# Altium PCB V2.PcbDoc
Units mil, origin at the board's own origin, x right, y up, seen from the top; angles counter-clockwise.
Board outline 4145.32 x 2865.32 mil, 2 copper layers (Top Layer, Bottom Layer); 20 components, 16 nets, 102 pads, 24 vias.
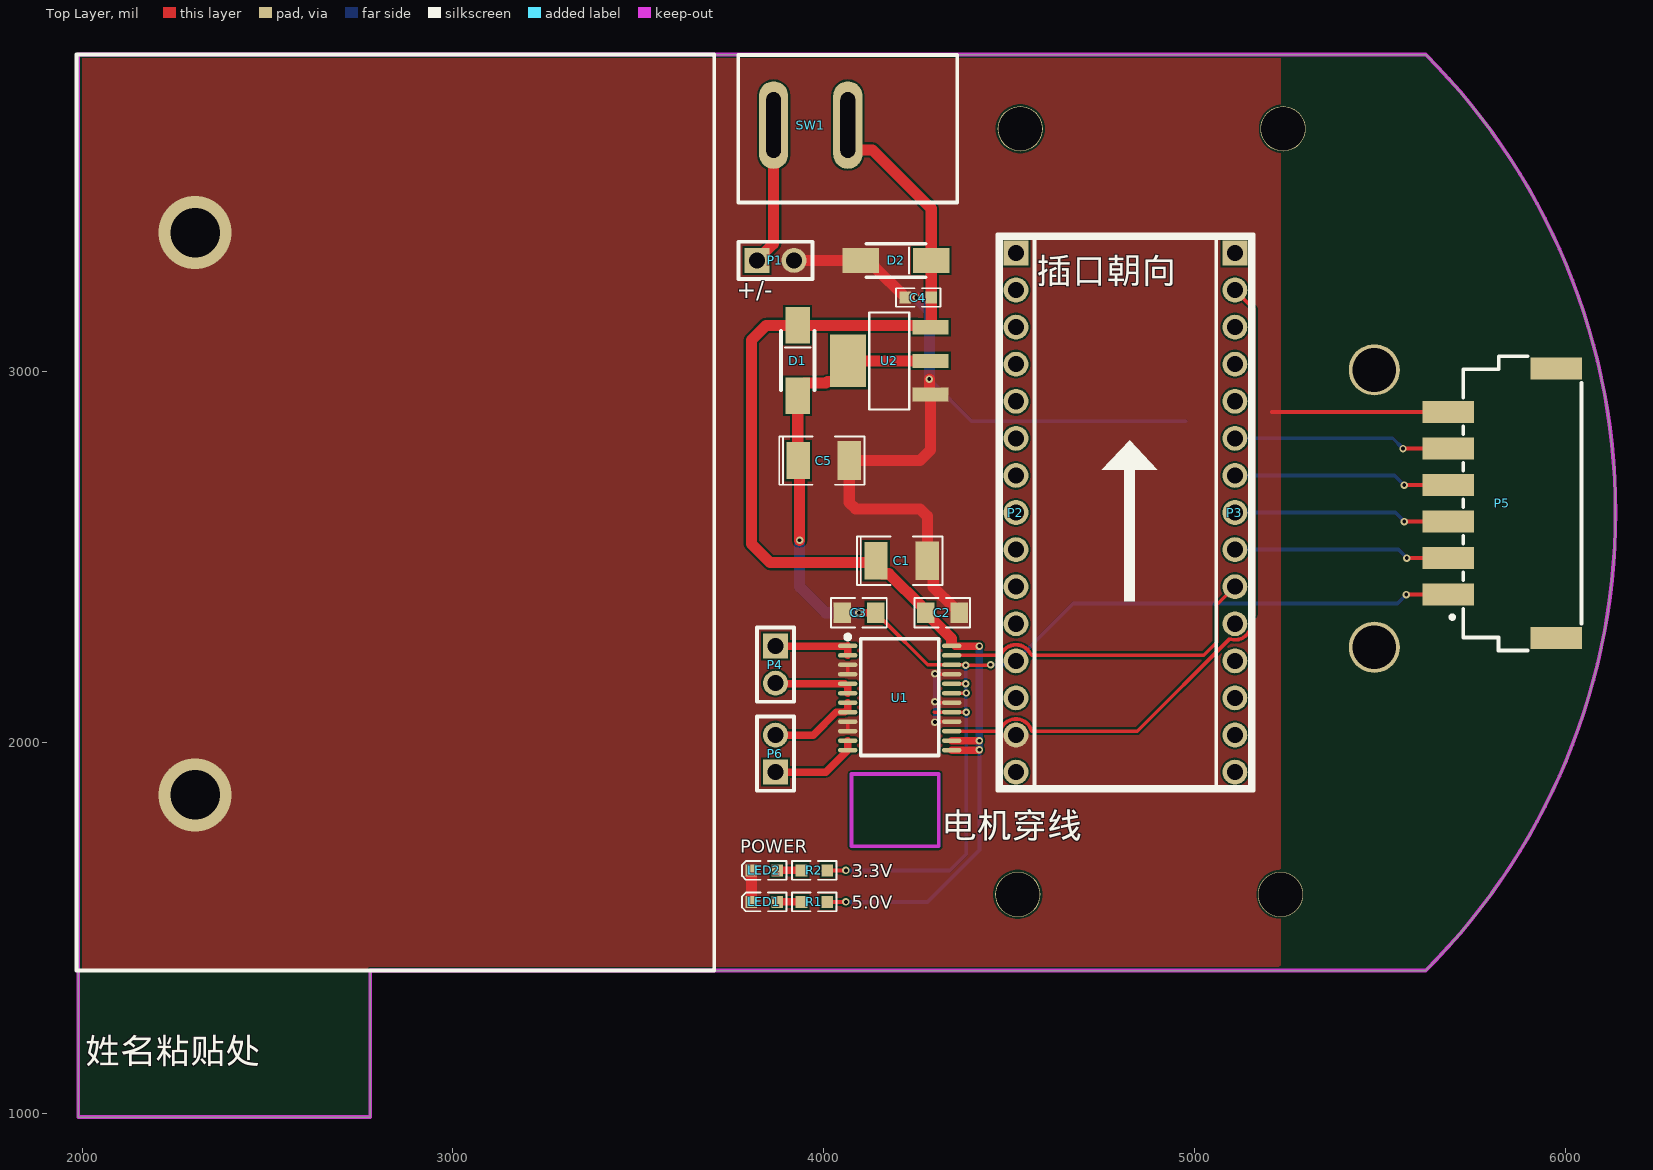
[diagram p0: Top Layer view]
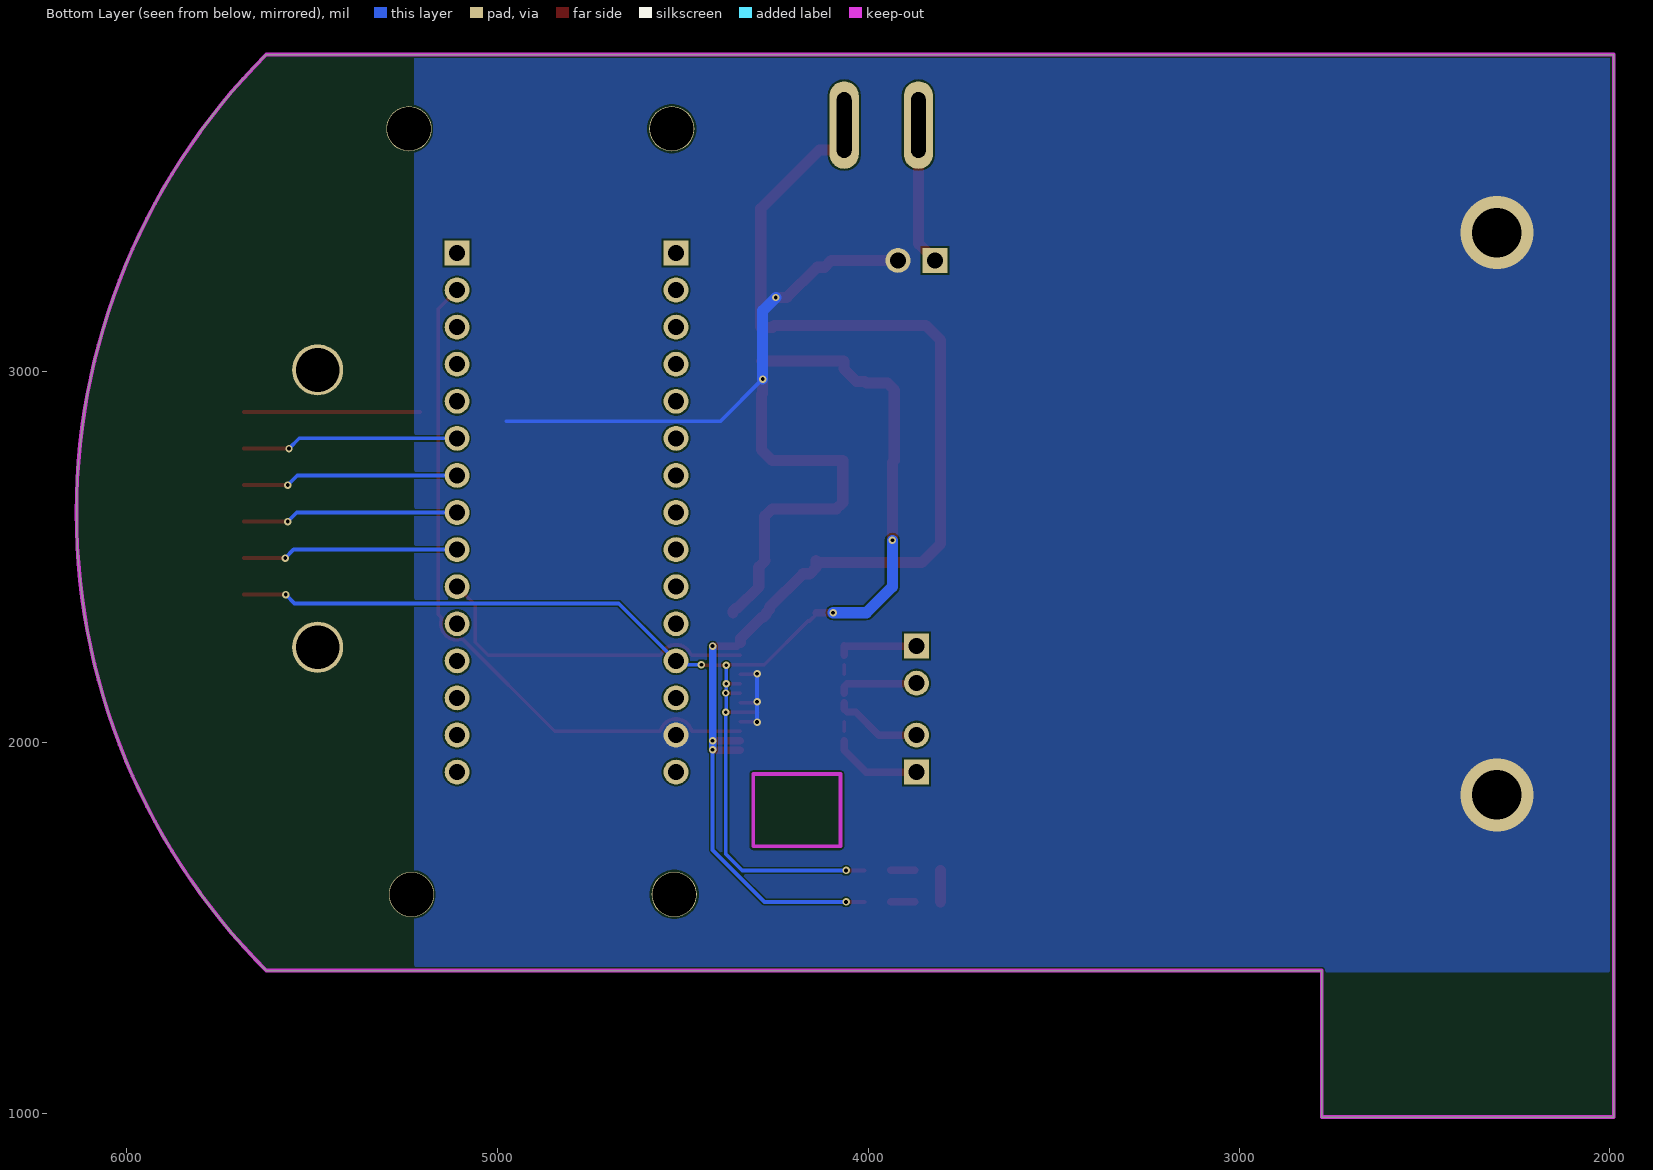
[diagram p1: Bottom Layer view, seen from below]
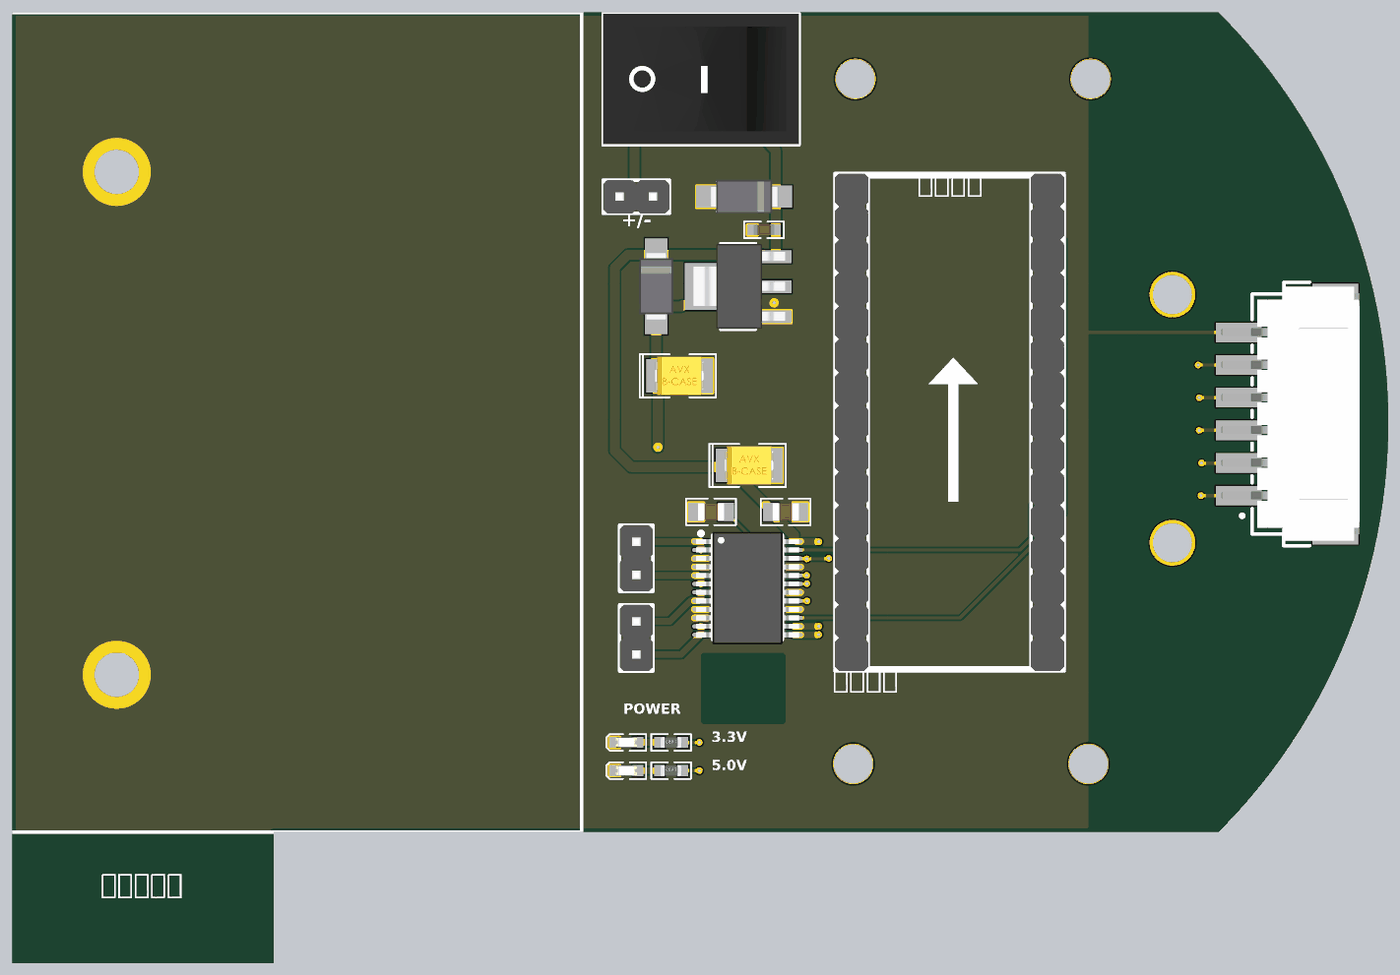
[diagram p2: 3D render of the assembled board from above, using the file's embedded part models]

## Layer stack, top to bottom
Top Solder: solder mask 0.4, Solder Resist, Dk 3.5
Top Layer: signal copper 1.4
Dielectric 1: dielectric 12.6, FR-4, Dk 4.8
Bottom Layer: signal copper 1.4
Bottom Solder: solder mask 0.4, Solder Resist, Dk 3.5

## Board outline
1990,990 1990,3855.32 5623.7,3855.32 cw(c4388.54,2620.16) 5623.7,1385 5230,1385 2777.4,1385 2777.4,990

## Design rules (kind name [scope] priority, off if disabled: settings)
Clearance [All] p1: gap=5 ignorepadtopadclearanceinfootprint=FALSE
PolygonConnect [All] p1: connectstyle=Direct reliefconductorwidth=10 reliefentries=4 polygonreliefangle="90 Angle" airgapwidth=10
RoutingVias [All] p1: holewidth=10 width=20 viastyle="Through Hole" minholewidth=10 minwidth=20 maxholewidth=28 maxwidth=50
SolderMaskExpansion [All] p1: expansion=4 istentingtop=FALSE
Width [All] p1: maxlimit=30 minlimit=10 preferedwidth=10
30 further rules are at their usual default settings.

## Components (designator, comment, footprint, x,y, rotation, side; value= is the part's Value field where it differs from the comment)
C1 "10uF" 3528B/1210 4210,2490 r0 top
C2 "0.1uF" 0805C 4320,2350 r180 top
C3 "0.1uF" 0805C 4095,2350 r0 top
C4 "10uF" 0603C 4255,3200 r0 top
C5 "100uF" 3528B/1210 4000,2760 r0 top
D1 "SS34" SMA 3930,3030 r90 top
D2 "瞬态抑制二极管" SMA 4195,3300 r0 top
LED1 "LED" 0603D 3840,1570 r180 top
LED2 "LED" 0603D 3840,1655 r180 top
P1 "排针1*2" Pin-PB-M-1*2 3870,3300 r0 top
P2 "排母1*15" Pin-PB-F-1*15 4518.46,2620.16 r270 top
P3 "排母1*15" Pin-PB-F-1*15 5109.02,2620.16 r270 top
P4 "排针1*2" Pin-PB-M-1*2 3870,2210 r270 top
P5 "接插件1*6" XH2.54_AW_1*6 5830,2645 r90 top
P6 "排针1*2" Pin-PB-M-1*2 3870,1970 r90 top
R1 "4K7" 0603R 3975,1570 r0 top
R2 "4K7" 0603R 3975,1655 r0 top
SW1 "开关" *SW-5.08mm 4065,3665 r0 top
U1 "TB6612" SSOP24 4205,2125 r0 top
U2 "AMS1117" SOT-223 4180,3030 r90 top

## Footprints (in the part's own frame and the unit in brackets; to place one, negate y for a bottom-side part, rotate by r counter-clockwise, add the part's x,y. Pads: shape width x height; smd on the part's side, far side on the other; paste and mask are expansions set on the pad)
0603C [mm] "0603锟斤拷装锟斤拷锟斤拷锟斤拷锟斤拷"
  rect 0.8x0.83 smd: 1(-0.889,0) 2(0.889,0)
  silkscreen extent -1.52,-0.64 1.52,0.64, body extent -0.8,-0.41 0.8,0.41, height 0.81
0603D [mm] "0603锟斤拷装锟斤拷LED锟斤拷"
  rect 0.8x0.83 smd: 1(-0.889,0) 2(0.889,0)
  silkscreen extent -1.52,-0.64 1.52,0.64, body extent -0.81,-0.4 0.81,0.4, height 0.6
0603R [mm] "0603锟斤拷装锟斤拷锟斤拷锟斤拷锟矫ｏ拷缺锟斤拷为锟斤拷锟斤拷锟斤拷锟斤拷/锟斤拷锟斤拷"
  rect 0.8x0.83 smd: 1(-0.889,0) 2(0.889,0)
  silkscreen extent -1.52,-0.64 1.52,0.64, body extent -0.8,-0.4 0.8,0.4, height 0.42
0805C [mm] "0805锟斤拷装锟斤拷锟斤拷锟斤拷锟斤拷"
  rect 1.2x1.4 smd: 1(-1.143,0) 2(1.143,0)
  silkscreen extent -1.91,-1.02 1.91,1.02, body extent -1,-0.65 1,0.64, height 1.28
3528B/1210 [mm] "1210锟斤拷装锟斤拷锟斤拷锟斤拷锟紹锟斤拷锟矫ｏ拷缺锟斤拷为锟斤拷锟斤拷锟斤拷锟斤拷/锟斤拷锟斤拷"
  rect 1.6x2.54 smd: 1(-1.75,0)
  rect 1.6x2.667 smd: 2(1.75,0)
  silkscreen extent -3.05,-1.65 2.79,1.65, body extent -1.85,-1.47 1.85,1.46, height 2.03
*SW-5.08mm [mm] "锟斤拷*专锟矫凤拷装锟斤拷锟斤拷锟斤拷锟斤拷5mm锟斤拷锟酵匡拷锟斤拷"
  oval 2x6 hole 1 slot 4.5 at 90 deg: 1(-5.08,0) 2(0,0)
  silkscreen extent -7.5,-5.3 7.5,4.8, body extent -7.5,-5.25 7.5,4.75, height 7.5
Pin-PB-F-1*15 [mm]
  rect 1.7x1.7 hole 1.1: 1(-17.78,0)
  round 1.7 hole 1.1: 2(-15.24,0) 3(-12.7,0) 4(-10.16,0) 5(-7.62,0) 6(-5.08,0) 7(-2.54,0) 8(0,0) 9(2.54,0) 10(5.08,0) 11(7.62,0) 12(10.16,0) 13(12.7,0) 14(15.24,0) 15(17.78,0)
  silkscreen extent -19.05,-1.27 19.05,1.27, body extent -19.05,-1.27 19.05,1.27, height 8.54
Pin-PB-M-1*2 [mm]
  rect 1.7x1.7 hole 1.1: 1(-1.27,0)
  round 1.7 hole 1.1: 2(1.27,0)
  silkscreen extent -2.54,-1.27 2.54,1.27, body extent -2.54,-1.27 2.54,1.27, height 8.54
SMA [mm] "锟斤拷锟斤拷锟斤拷肖锟截伙拷锟斤拷锟斤拷锟杰的凤拷装锟斤拷锟斤拷锟斤拷锟竭碉拷一锟斤拷为锟斤拷锟斤拷"
  rect 2.5x1.7 smd: 1(-2.413,0) 2(2.413,0)
  silkscreen extent -2.03,-1.14 2.03,1.14, body extent -2.6,-1.3 2.6,1.3, height 2.37
SOT-223 [mm]
  rect 0.98x2.47 smd: 1(-2.327,-2.757) 2(-0.027,-2.757) 3(2.273,-2.757)
  rect 3.6x2.47 smd: 4(-0.027,2.913)
  silkscreen extent -3.35,-1.29 3.3,1.45, body extent -3.25,-3.5 3.25,3.5, height 1.65
SSOP24 [mil]
  oval 52.13x12.13 smd: 1(-140.24,135.75) 2(-140.24,110.16) 3(-140.24,84.57) 4(-140.24,58.98) 5(-140.24,33.39) 6(-140.24,7.8) 7(-140.24,-17.8) 8(-140.24,-43.39) 9(-140.24,-68.98) 10(-140.24,-94.57) 11(-140.24,-120.16) 12(-140.24,-145.75) 13(140.24,-145.75) 14(140.24,-120.16) 15(140.24,-94.57) 16(140.24,-68.98) 17(140.24,-43.39) 18(140.24,-17.8) 19(140.24,7.8) 20(140.24,33.39) 21(140.24,58.98) 22(140.24,84.57) 23(140.24,110.16) 24(140.24,135.75)
  silkscreen extent -146,-160 105,166, body extent -156,-175 156,165, height 78
XH2.54_AW_1*6 [mm]
  rect 1.5x3.5 smd: 1(-6.25,3.7) 2(-3.75,3.7) 3(-1.25,3.7) 4(1.25,3.7) 5(3.75,3.7) 6(6.25,3.7) ""(-9.23,-3.7) ""(9.23,-3.7)
  silkscreen extent -10.08,-5.42 10.08,3.56, body extent -9.7,-5.53 9.75,5.07, height 5.95

## Part data
C1 C5: library part 电容_贴片钽
C2 C3 C4: library part 电容_贴片
D1: library part 二极管_肖特基
D2: library part 二极管_瞬态抑制
LED1 LED2: library part 二极管_贴片发光
P1 P4 P6: library part 接插件1*2
P2 P3: library part 接插件1*15
R1 R2: library part 电阻_贴片
SW1: library part 开关_二脚
U1: library part 芯片/IC-电机驱动-TB6612
U2: library part 芯片/IC-线性稳压管-AMS1117

## Free pads (board coordinates)
  round 122.05 hole 118.11: 0(4523.46,1590.16) 0(4530,3655) 0(5232.12,1590.16) 0(5238.66,3655)
  round 137.8 hole 118.11: ""(5485,2256.76) ""(5485,3004.79)

## Via types
v1: diameter 20, hole 10, Top Layer to Bottom Layer, 22 vias
v2: diameter 196.85, hole 133.86, Top Layer to Bottom Layer, 2 vias

## Nets (pads, with @x,y where several pads share a name; then routed paths per layer and width w, separated by ;. In a path a pad name is that pad's centre, name@x,y a point inside that pad or via, vN(x,y) a via of type N, cw(c..) or ccw(c..) an arc to the next point about the centre after c; other vN are vias at no path point)
+3V3: C3.2 C5.1 D1.1 P2.12 P5.1 R2.2 U1.17 U1.19 U1.20 U1.22 U2.2 U2.4 | length 3905.7
  Top Layer w10: R2.2 v1(4060,1655) ; C3.2 4140,2346.06 4158.62,2327.44 4162.56,2327.44 4280.43,2209.57 U1.22 4382.15,2209.57 v1(4383.36,2208.36) 4448.36,2208.36 v1(4450,2210) ; 4298.33,2081.61 U1.17 v1(4384.14,2081.61) ; U1.19 4383.53,2132.8 v1(4384.08,2133.35) ; U1.20 v1(4383.39,2158.39) ; v1(5571.07,2398.93) P5.1
  Top Layer w20: v1(4095,2350) C3.2
  Top Layer w30: v1(3935,2545) 3935,2756.1 C5.1 3930,2761.1 D1.1 3930,2950.75 3948.46,2969.21 4006.64,2969.21 4010.51,2973.09 4031.68,2973.09 4065.3,3006.71 U2.4 U2.2
  Bottom Layer w10: v1(4060,1655) 4340,1655 4384.14,1699.14 v1(4384.14,2081.61) 4383.36,2082.4 v1(4383.36,2208.36) ; v1(4450,2210) P2.12@4508.31,2210 ; P2.12 4673.31,2375 5547.15,2375 v1(5571.07,2398.93)
  Bottom Layer w30: v1(3935,2545) 3935,2420 4005,2350 v1(4095,2350)
+6V: C1.1 C2.2 C4.2 D1.2 D2.2 R1.2 SW1.2 U1.13 U1.14 U1.24 U2.3 | length 3641.1
  Top Layer w10: R1.2 v1(4060,1570) ; 4345,2270 U1.24@4355,2260 ; v1@4419.25,1979.25 v1(4420,1980) ; v1@4419.84,2004.84 v1(4420,2005)
  Top Layer w20: U1.13 v1@4419.25,1979.25 ; U1.14 v1@4419.84,2004.84 ; U1.24@4355,2260 v1(4420,2260)
  Top Layer w30: SW1.2 4065,3620.72 4087.51,3598.2 4131.8,3598.2 4290,3440 D2.2 C4.2 4290,3120.97 U2.3 4259.2,3119.5 4253.71,3125 D1.2 3845,3125 3805,3085 3805,2535 3855,2485 4136.1,2485 C1.1 4141.1,2471.5 4157.6,2455 4176.1,2455 4266.38,2364.72 4266.38,2358.62 C2.2 4275,2346.06 4283.62,2337.44 4287.56,2337.44 4345,2280 4345,2270
  Bottom Layer w10: v1(4060,1570) 4280,1570 4420,1710 v1(4420,1980)
  Bottom Layer w20: v1(4420,1980) v1(4420,2005) v1(4420,2260)
AO1: P4.1 U1.1 U1.2 | length 221.7
  Top Layer w20: P4.1 4064.02,2260 U1.1 U1.2
  Top Layer w30: P4.1 P4.1@3870.75,2260.75
AO2: P4.2 U1.5 U1.6 | length 216.4
  Top Layer w20: P4.2 3872.09,2157.91 4057.09,2157.91 4065,2150 4065,2133.03 U1.6
BO1: P6.1 U1.11 U1.12 | length 244.9
  Top Layer w20: P6.1 4005.51,1920 U1.12 U1.11
BO2: P6.2 U1.7 U1.8 | length 241.3
  Top Layer w20: P6.2 3971.88,2020 4033.97,2082.09 4057.09,2082.09 4065,2090 4064.76,2090.24 U1.7
GND: C1.2 C2.1 C3.1 C4.1 C5.2 D2.1 LED1.2 LED2.2 P1.2 P2.14 P5.6 U1.3 U1.4 U1.9 U1.10 U1.16 U1.18 U1.21 U2.1 | length 3284.8
  Top Layer w10: U1.10 U1.9 ; U1.4 U1.3 ; v1(4300,2055) 4301.02,2056.02 U1.16 ; v1(4300,2110) 4302.71,2110 4305.5,2107.2 U1.18 ; v1(4300,2185) 4301.02,2183.98 U1.21 ; 5208.93,2891.07 P5.6
  Top Layer w30: LED1.2 LED2.2 ; P1.2 D2.1 4118.46,3281.54 4138.46,3281.54 4218.66,3201.34 4219.25,3201.34 4220,3200.59 C4.1 v1(4249.25,3200) ; v1(4285,2980) 4285,2941.93 U2.1 4288.53,2788.53 4260,2760 C5.2 4068.9,2647.57 4086.47,2630 4260,2630 4280,2610 4280,2491.1 C1.2 4295.39,2473.5 4295.39,2419.61 4352.44,2362.56 4356.38,2362.56 4365,2353.94 C2.1
  Bottom Layer w10: v1(4285,2980) 4398.77,2866.23 4975.67,2866.23 ; v1(4300,2055) v1(4300,2110) v1(4300,2185)
  Bottom Layer w30: v1(4249.25,3200) 4285,3164.25 v1(4285,2980)
  other v2: 2305,1858.94 2305,3374.68
NetLED1_1: LED1.1 R1.1 | length 65
  Top Layer w20: LED1.1 R1.1
NetLED2_1: LED2.1 R2.1 | length 65
  Top Layer w20: LED2.1 R2.1
NetP1_1: P1.1 SW1.1 | length 383.6
  Top Layer w30: P1.1 3865,3345 SW1.1
OUT1: P3.9 P5.2 | length 584.8
  Top Layer w10: v1(5572.65,2497.35) P5.2
  Bottom Layer w10: P3.9 5549.84,2520.16 v1(5572.65,2497.35)
OUT2: P3.8 P5.3 | length 585.4
  Top Layer w10: v1(5565.78,2595.78) P5.3
  Bottom Layer w10: P3.8 5541.4,2620.16 v1(5565.78,2595.78)
OUT3: P3.7 P5.4 | length 586.1
  Top Layer w10: v1(5565.79,2694.21) P5.4
  Bottom Layer w10: P3.7 5539.84,2720.16 v1(5565.79,2694.21)
OUT4: P3.6 P5.5 | length 586.7
  Top Layer w10: v1(5562.36,2792.64) P5.5
  Bottom Layer w10: P3.6 5534.84,2820.16 v1(5562.36,2792.64)
PWMA: P3.10 U1.23 | length 922
  Top Layer w10: U1.23 4475.35,2235.16 4478.28,2238.09 4479.4,2239.21 cw(c4518.46,2220.16) 4557.53,2239.21 4558.65,2238.09 4561.58,2235.16 5025.16,2235.16 5060,2270 5060,2371.14 P3.10
PWMB: P3.2 U1.15 | length 1890.9
  Top Layer w10: U1.15 4476.23,2030.43 cw(c4518.46,2020.16) 4560.7,2030.43 4845.43,2030.43 5093.02,2278.02 5097.16,2278.02 5098.35,2278.02 ccw(c5109.02,2320.16) 5151.15,2330.83 5151.15,2332.01 5151.15,2336.15 5160,2345 5160,3169.17 P3.2
pads on no net: P2.1 P2.2 P2.3 P2.4 P2.5 P2.6 P2.7 P2.8 P2.9 P2.10 P2.11 P2.13 P2.15 P3.1 P3.3 P3.4 P3.5 P3.11 P3.12 P3.13 P3.14 P3.15 P5.

## Polygon pours and split planes (outlines as drawn)
GND on Top Layer "Top Layer-No Net" (solid, remove dead copper, pour order 0): 1987.43,3855.24 5232.43,3855.24 5232.57,1385.07 1987.43,1384.93
GND on Bottom Layer "Top Layer-No Net" (solid, remove dead copper, pour order 1): 1980,3850.32 5225,3850.32 5225.14,1380.14 1980,1380

## Keep-outs
Keep-Out Layer:
  lines w10: 2777.4,1382.6 2777.4,990 1990,990 1990,3855.32 5230,3855.32 5623.7,3855.32 cw(c4388.54,2620.16) 5623.7,1385 5230,1385 2777.4,1385 ; 4075,1720 4075,1915 4310,1915 4310,1720 4075,1720

## Silkscreen, mask and mechanical layers (free items; w line width, h text height)
Top Overlay:
  region: 4840,2735 4825,2735 4825,2380 4840,2380
  rectangle: 4810,2380 4825,2735
  region: 4825,2815 4900,2735 4825,2735
  region: 4825,2815 4750,2735 4825,2735
  lines w10: 1985,1385 3705,1385 3705,3855.32 1985,3855.32 1985,1385
  lines w20: 4473.46,1875.16 5154.02,1875.16 5154.02,3365.16 4473.46,3365.16 4473.46,1875.16
  text "插口朝向" at 4574.74,3215 h118.11
  text "+/-" at 3765,3181.25 h80
  text "电机穿线" at 4319.74,1720 h118.11
  text "POWER" at 3775,1690.08 h60
  text "3.3V" at 4076.25,1625.04 h60
  text "5.0V" at 4076.25,1540.04 h60
  text "姓名粘贴处" at 2009.2,1112.55 h118.11